# KiCad board vme-wren.kicad_pcb (continued)
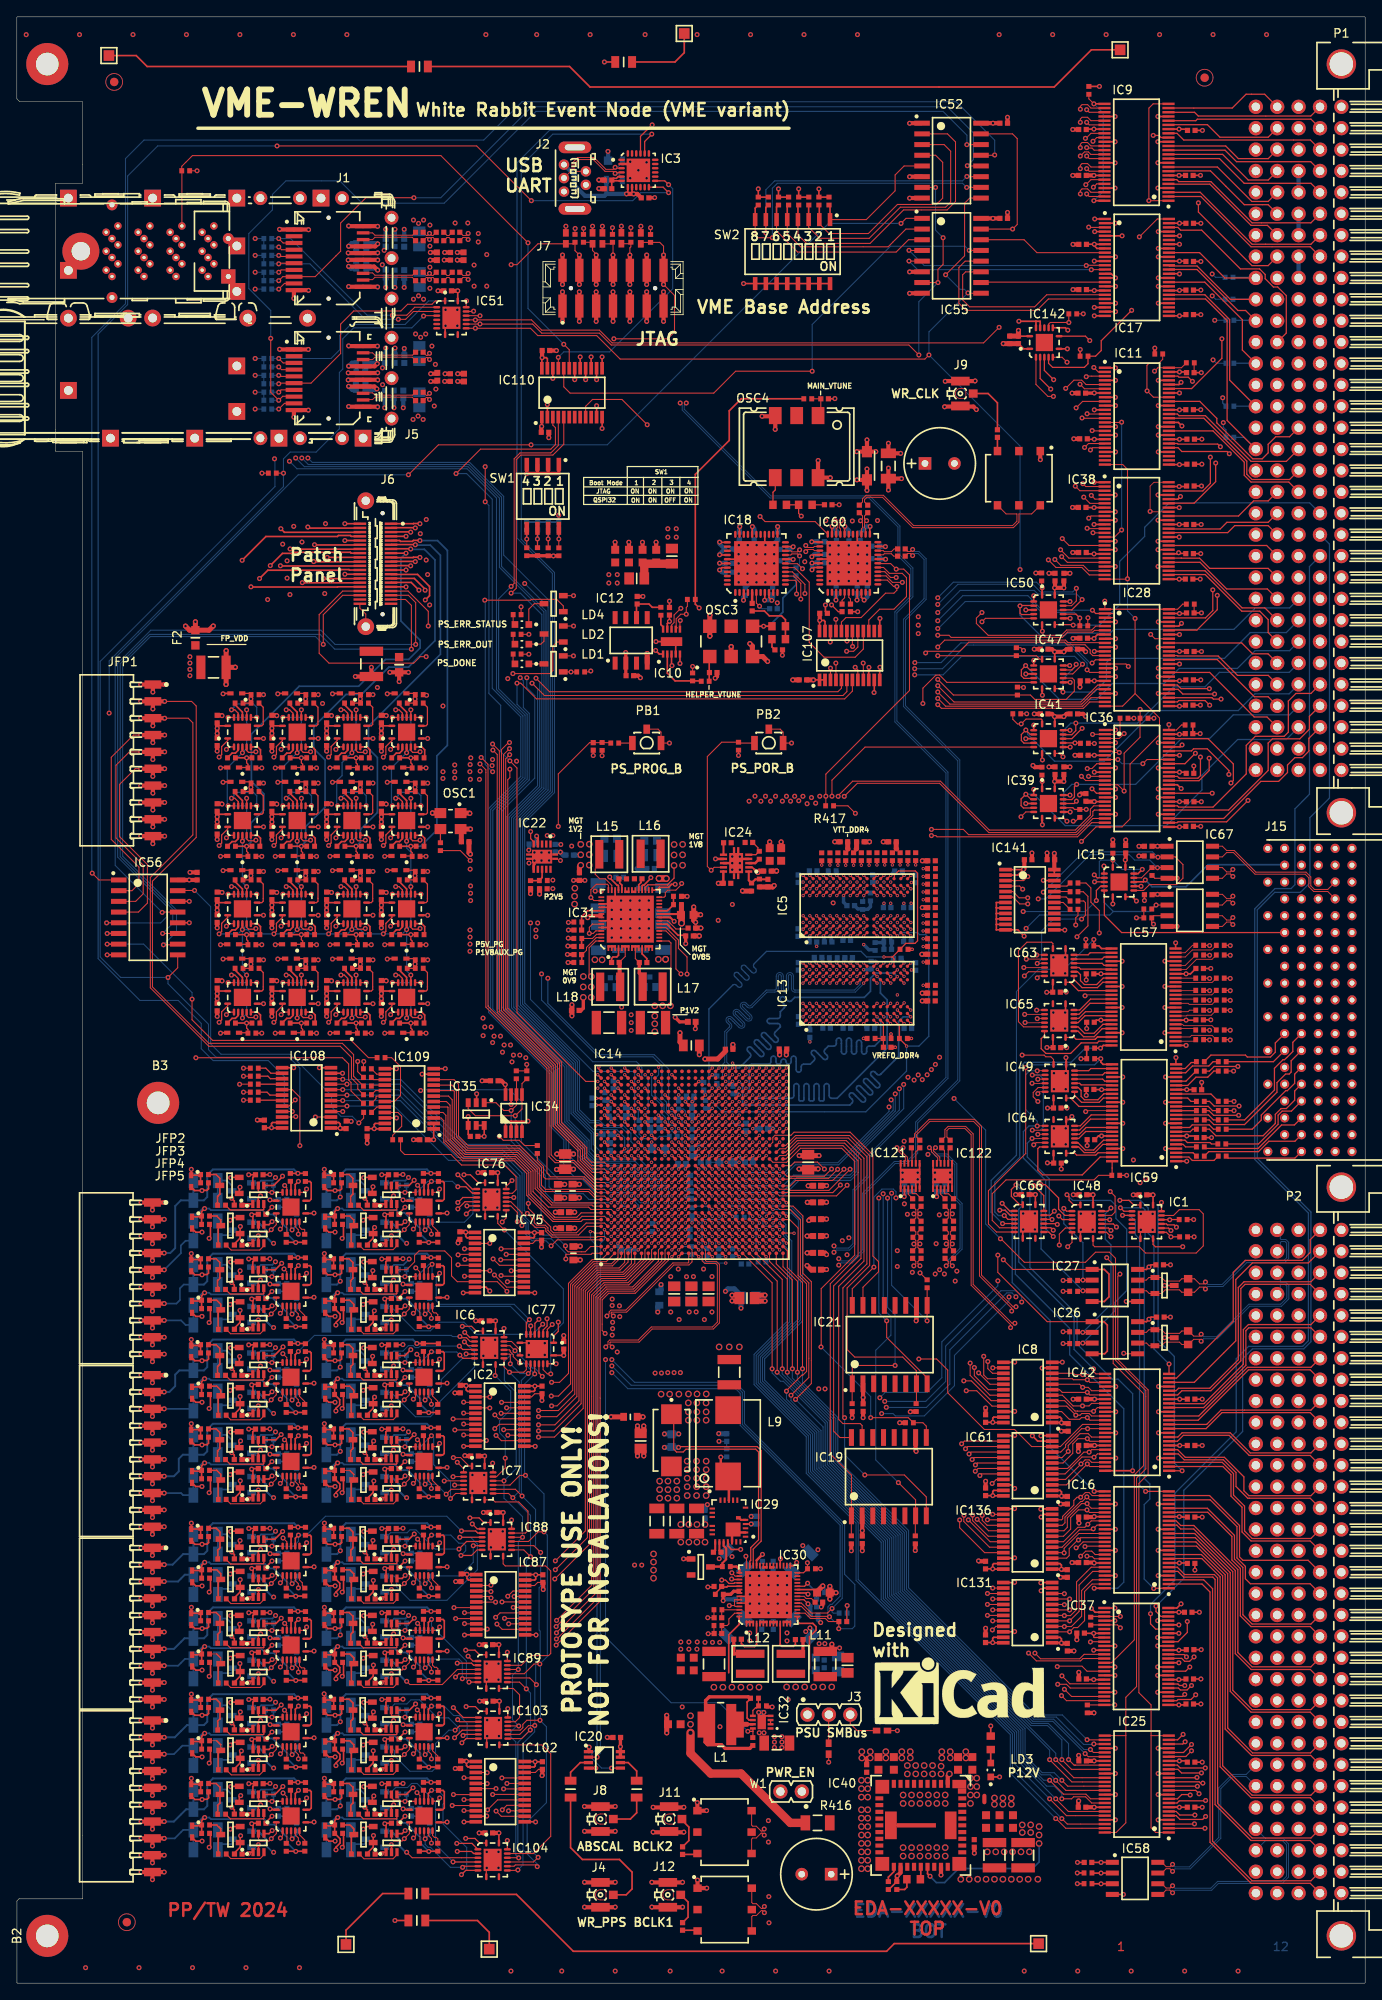
[diagram p0: board, top side]
## Nets (continued)
/vme_interface/vme_buffers_addr/VMEPX.A22: IC36.37 P1.C16
/vme_interface/vme_buffers_addr/VMEPX.A23: IC36.40 P1.C15
/vme_interface/vme_buffers_addr/VMEPX.A24: IC37.40 P2.B4
/vme_interface/vme_buffers_addr/VMEPX.A25: IC37.37 P2.B5
/vme_interface/vme_buffers_addr/VMEPX.A26: IC37.36 P2.B6
/vme_interface/vme_buffers_addr/VMEPX.A27: IC37.33 P2.B7
/vme_interface/vme_buffers_addr/VMEPX.A28: IC37.30 P2.B8
/vme_interface/vme_buffers_addr/VMEPX.A29: IC37.29 P2.B9
/vme_interface/vme_buffers_addr/VMEPX.A30: IC37.27 P2.B10
/vme_interface/vme_buffers_addr/VMEPX.A31: IC37.26 P2.B11
/vme_interface/vme_buffers_addr/VMEPX.AM0: IC11.40 P1.B16
/vme_interface/vme_buffers_addr/VMEPX.AM1: IC11.37 P1.B17
/vme_interface/vme_buffers_addr/VMEPX.AM2: IC11.36 P1.B18
/vme_interface/vme_buffers_addr/VMEPX.AM3: IC11.33 P1.B19
/vme_interface/vme_buffers_addr/VMEPX.AM4: IC11.30 P1.A23
/vme_interface/vme_buffers_addr/VMEPX.AM5: IC11.29 P1.C14
/vme_interface/vme_buffers_addr/VMEPX.AS_N: IC28.43 P1.A18
/vme_interface/vme_buffers_addr/VMEPX.BERR_N: IC11.43 P1.C11
/vme_interface/vme_buffers_addr/VMEPX.BG3IN: IC142.5 P1.B10 R402.2
/vme_interface/vme_buffers_addr/VMEPX.BG3OUT: IC142.3 P1.B11 R402.1
/vme_interface/vme_buffers_addr/VMEPX.BR3: IC142.8 P1.B15
/vme_interface/vme_buffers_addr/VMEPX.D0: IC17.22 P1.A1
/vme_interface/vme_buffers_addr/VMEPX.D1: IC17.20 P1.A2
/vme_interface/vme_buffers_addr/VMEPX.D2: IC17.17 P1.A3
/vme_interface/vme_buffers_addr/VMEPX.D3: IC17.13 P1.A4
/vme_interface/vme_buffers_addr/VMEPX.D4: IC17.11 P1.A5
/vme_interface/vme_buffers_addr/VMEPX.D5: IC17.6 P1.A6
/vme_interface/vme_buffers_addr/VMEPX.D6: IC17.3 P1.A7
/vme_interface/vme_buffers_addr/VMEPX.D7: IC17.2 P1.A8
/vme_interface/vme_buffers_addr/VMEPX.D8: IC17.23 P1.C1
/vme_interface/vme_buffers_addr/VMEPX.D9: IC17.19 P1.C2
/vme_interface/vme_buffers_addr/VMEPX.D10: IC17.14 P1.C3
/vme_interface/vme_buffers_addr/VMEPX.D11: IC17.12 P1.C4
/vme_interface/vme_buffers_addr/VMEPX.D12: IC17.9 P1.C5
/vme_interface/vme_buffers_addr/VMEPX.D13: IC17.8 P1.C6
/vme_interface/vme_buffers_addr/VMEPX.D14: IC17.5 P1.C7
/vme_interface/vme_buffers_addr/VMEPX.D15: IC17.16 P1.C8
/vme_interface/vme_buffers_addr/VMEPX.D16: IC25.12 P2.B14
/vme_interface/vme_buffers_addr/VMEPX.D17: IC25.11 P2.B15
/vme_interface/vme_buffers_addr/VMEPX.D18: IC25.9 P2.B16
/vme_interface/vme_buffers_addr/VMEPX.D19: IC25.8 P2.B17
/vme_interface/vme_buffers_addr/VMEPX.D20: IC25.6 P2.B18
/vme_interface/vme_buffers_addr/VMEPX.D21: IC25.5 P2.B19
/vme_interface/vme_buffers_addr/VMEPX.D22: IC25.3 P2.B20
/vme_interface/vme_buffers_addr/VMEPX.D23: IC25.2 P2.B21
/vme_interface/vme_buffers_addr/VMEPX.D24: IC25.23 P2.B23
/vme_interface/vme_buffers_addr/VMEPX.D25: IC25.22 P2.B24
/vme_interface/vme_buffers_addr/VMEPX.D26: IC25.20 P2.B25
/vme_interface/vme_buffers_addr/VMEPX.D27: IC25.19 P2.B26
/vme_interface/vme_buffers_addr/VMEPX.D28: IC25.17 P2.B27
/vme_interface/vme_buffers_addr/VMEPX.D29: IC25.16 P2.B28
/vme_interface/vme_buffers_addr/VMEPX.D30: IC25.14 P2.B29
/vme_interface/vme_buffers_addr/VMEPX.D31: IC25.13 P2.B30
/vme_interface/vme_buffers_addr/VMEPX.DS0_N: IC38.43 P1.A13
/vme_interface/vme_buffers_addr/VMEPX.DS1_N: IC38.46 P1.A12
/vme_interface/vme_buffers_addr/VMEPX.DTACK_N: IC36.46 P1.A16
/vme_interface/vme_buffers_addr/VMEPX.GA0: IC9.37 P1.D10 R56.1
/vme_interface/vme_buffers_addr/VMEPX.GA1: IC9.36 P1.D11 R59.1
/vme_interface/vme_buffers_addr/VMEPX.GA2: IC9.33 P1.D13 R60.1
/vme_interface/vme_buffers_addr/VMEPX.GA3: IC9.30 P1.D15 R61.1
/vme_interface/vme_buffers_addr/VMEPX.GA4: IC9.29 P1.D17 R67.1
/vme_interface/vme_buffers_addr/VMEPX.GAP: IC9.40 P1.D9 R55.1
/vme_interface/vme_buffers_addr/VMEPX.IACK_N: IC50.8 P1.A20
/vme_interface/vme_buffers_addr/VMEPX.IACKIN_N: IC37.46 P1.A21
/vme_interface/vme_buffers_addr/VMEPX.IACKOUT_N: IC37.43 P1.A22
/vme_interface/vme_buffers_addr/VMEPX.IRQ_N1: IC39.3 IC39.5 P1.B30
/vme_interface/vme_buffers_addr/VMEPX.IRQ_N2: IC39.8 IC39.12 P1.B29
/vme_interface/vme_buffers_addr/VMEPX.IRQ_N3: IC41.3 IC41.5 P1.B28
/vme_interface/vme_buffers_addr/VMEPX.IRQ_N4: IC41.8 IC41.12 P1.B27
/vme_interface/vme_buffers_addr/VMEPX.IRQ_N5: IC47.3 IC47.5 P1.B26
/vme_interface/vme_buffers_addr/VMEPX.IRQ_N6: IC47.8 IC47.12 P1.B25
/vme_interface/vme_buffers_addr/VMEPX.IRQ_N7: IC50.3 IC50.5 P1.B24
/vme_interface/vme_buffers_addr/VMEPX.LWORD_N: IC36.26 P1.C13
/vme_interface/vme_buffers_addr/VMEPX.RETRY_N: IC11.46 P2.B3
/vme_interface/vme_buffers_addr/VMEPX.SYSCLK: IC28.46 P1.A10
/vme_interface/vme_buffers_addr/VMEPX.SYSRESET: IC9.46 P1.C12
/vme_interface/vme_buffers_addr/VMEPX.TCK: P1.Z3
/vme_interface/vme_buffers_addr/VMEPX.TDI: P1.Z7
/vme_interface/vme_buffers_addr/VMEPX.TDO: P1.Z5
/vme_interface/vme_buffers_addr/VMEPX.TMS: P1.Z9
/vme_interface/vme_buffers_addr/VMEPX.TRST: P1.Z1
/vme_interface/vme_buffers_addr/VMEPX.WRITE_N: IC36.43 P1.A14
/vme_interface/vme_p1_p2/VMEPX.ACFAIL: P1.B3
/vme_interface/vme_p1_p2/VMEPX.BBSY: P1.B1
/vme_interface/vme_p1_p2/VMEPX.BCLR: P1.B2
/vme_interface/vme_p1_p2/VMEPX.BG0IN: P1.B4 P1.B5
/vme_interface/vme_p1_p2/VMEPX.BG1IN: P1.B6 P1.B7
/vme_interface/vme_p1_p2/VMEPX.BG2IN: P1.B8 P1.B9
/vme_interface/vme_p1_p2/VMEPX.BR0: P1.B12
/vme_interface/vme_p1_p2/VMEPX.BR1: P1.B13
/vme_interface/vme_p1_p2/VMEPX.BR2: P1.B14
/vme_interface/vme_p1_p2/VMEPX.SERA: P1.B21
/vme_interface/vme_p1_p2/VMEPX.SERB: P1.B22
/vme_interface/vme_p1_p2/VMEPX.SYSFAIL: P1.C10
/vme_interface/VMEPX_USERIO_A.IO0: IC42.23 P2.A1
/vme_interface/VMEPX_USERIO_A.IO1: IC42.22 P2.A2
/vme_interface/VMEPX_USERIO_A.IO2: IC42.20 P2.A3
/vme_interface/VMEPX_USERIO_A.IO3: IC42.19 P2.A4
/vme_interface/VMEPX_USERIO_A.IO4: IC42.17 P2.A5
/vme_interface/VMEPX_USERIO_A.IO5: IC42.16 P2.A6
/vme_interface/VMEPX_USERIO_A.IO6: IC42.14 P2.A7
/vme_interface/VMEPX_USERIO_A.IO7: IC42.13 P2.A8
/vme_interface/VMEPX_USERIO_A.IO8: IC42.12 P2.A9
/vme_interface/VMEPX_USERIO_A.IO9: IC42.11 P2.A10
/vme_interface/VMEPX_USERIO_A.IO10: IC42.9 P2.A11
/vme_interface/VMEPX_USERIO_A.IO11: IC42.8 P2.A12
/vme_interface/VMEPX_USERIO_A.IO12: IC42.6 P2.A13
/vme_interface/VMEPX_USERIO_A.IO13: IC42.5 P2.A14
/vme_interface/VMEPX_USERIO_A.IO14: IC42.3 P2.A15
/vme_interface/VMEPX_USERIO_A.IO15: IC42.2 P2.A16
/vme_interface/VMEPX_USERIO_A.IO16: IC16.23 P2.A17
/vme_interface/VMEPX_USERIO_A.IO17: IC16.22 P2.A18
/vme_interface/VMEPX_USERIO_A.IO18: IC16.20 P2.A19
/vme_interface/VMEPX_USERIO_A.IO19: IC16.19 P2.A20
/vme_interface/VMEPX_USERIO_A.IO20: IC16.17 P2.A21
/vme_interface/VMEPX_USERIO_A.IO21: IC16.16 P2.A22
/vme_interface/VMEPX_USERIO_A.IO22: IC16.14 P2.A23
/vme_interface/VMEPX_USERIO_A.IO23: IC16.13 P2.A24
/vme_interface/VMEPX_USERIO_A.IO24: IC16.12 P2.A25
/vme_interface/VMEPX_USERIO_A.IO25: IC16.11 P2.A26
/vme_interface/VMEPX_USERIO_A.IO26: IC16.9 P2.A27
/vme_interface/VMEPX_USERIO_A.IO27: IC16.8 P2.A28
/vme_interface/VMEPX_USERIO_A.IO28: IC16.6 P2.A29
/vme_interface/VMEPX_USERIO_A.IO29: IC16.5 P2.A30
/vme_interface/VMEPX_USERIO_A.IO30: IC16.3 P2.A31
/vme_interface/VMEPX_USERIO_A.IO31: IC16.2 P2.A32
/VMEF.A1: IC14.AA10 IC38.22
/VMEF.A2: IC14.AB9 IC38.20
/VMEF.A3: IC14.AB10 IC38.19
/VMEF.A4: IC14.AD10 IC38.16
/VMEF.A5: IC14.AF10 IC38.13
/VMEF.A6: IC14.AE10 IC38.12
/VMEF.A7: IC14.AF11 IC38.9
/VMEF.A8: IC14.AD12 IC28.23
/VMEF.A9: IC14.AE13 IC28.22
/VMEF.A10: IC14.AE14 IC28.20
/VMEF.A11: IC14.AB11 IC28.19
/VMEF.A12: IC14.AB13 IC28.16
/VMEF.A13: IC14.AA12 IC28.13
/VMEF.A14: IC14.Y9 IC28.12
/VMEF.A15: IC14.AD11 IC28.9
/VMEF.A16: IC14.W12 IC36.23
/VMEF.A17: IC14.Y12 IC36.22
/VMEF.A18: IC14.L13 IC36.20
/VMEF.A19: IC14.L14 IC36.19
/VMEF.A20: IC14.A13 IC36.16
/VMEF.A21: IC14.A12 IC36.13
/VMEF.A22: IC14.H13 IC36.12
/VMEF.A23: IC14.G13 IC36.9
/VMEF.A24: IC14.G11 IC37.9
/VMEF.A25: IC14.K12 IC37.12
/VMEF.A26: IC14.J12 IC37.13
/VMEF.A27: IC14.K13 IC37.16
/VMEF.A28: IC14.C13 IC37.19
/VMEF.A29: IC14.D14 IC37.20
/VMEF.A30: IC14.E14 IC37.22
/VMEF.A31: IC14.G14 IC37.23
/VMEF.A_DIR: IC11.24 IC14.E15 IC28.24 IC36.24 IC37.24 IC38.24 R40.1
/VMEF.A_OE_N: IC11.14 IC14.K14 IC28.14 IC36.14 IC37.14 IC38.14 R92.1
/VMEF.AM0: IC11.9 IC14.Y14
/VMEF.AM1: IC11.12 IC14.AB14
/VMEF.AM2: IC11.13 IC14.Y13
/VMEF.AM3: IC11.16 IC14.AC14
/VMEF.AM4: IC11.19 IC14.AG14
/VMEF.AM5: IC11.20 IC14.AD14
/VMEF.AS_N_DIR: IC14.F12 IC28.41
/VMEF.AS_N_IN: IC14.AH14 IC28.6
/VMEF.AS_N_OUT: IC14.AH10 IC28.5
/VMEF.BERR_IN: IC11.6 IC14.AD15
/VMEF.BERR_OE: IC11.41 IC14.F11 R315.1
/VMEF.BERR_OUT: IC11.5 IC14.AE15
/VMEF.BG3IN: IC14.B14 IC142.6
/VMEF.BG3OUT: IC14.C14 IC142.2
/VMEF.BR3: IC14.H11 IC142.10 R403.2
/VMEF.D0: IC14.AG5 IC17.36
/VMEF.D1: IC14.AG6 IC17.35
/VMEF.D2: IC14.AC6 IC17.33
/VMEF.D3: IC14.AH7 IC17.32
/VMEF.D4: IC14.AC8 IC17.30
/VMEF.D5: IC14.AC7 IC17.29
/VMEF.D6: IC14.AH9 IC17.27
/VMEF.D7: IC14.AG9 IC17.26
/VMEF.D8: IC14.AF2 IC17.47
/VMEF.D9: IC14.AF3 IC17.46
/VMEF.D10: IC14.AG3 IC17.44
/VMEF.D11: IC14.AH3 IC17.43
/VMEF.D12: IC14.AG4 IC17.41
/VMEF.D13: IC14.AD5 IC17.40
/VMEF.D14: IC14.AH4 IC17.38
/VMEF.D15: IC14.AB6 IC17.37
/VMEF.D16: IC14.AG8 IC25.37
/VMEF.D17: IC14.AH6 IC25.38
/VMEF.D18: IC14.AE9 IC25.40
/VMEF.D19: IC14.AF8 IC25.41
/VMEF.D20: IC14.AD9 IC25.43
/VMEF.D21: IC14.AD7 IC25.44
/VMEF.D22: IC14.AB8 IC25.46
/VMEF.D23: IC14.AE4 IC25.47
/VMEF.D24: IC14.AH2 IC25.26
/VMEF.D25: IC14.AH1 IC25.27
/VMEF.D26: IC14.AG1 IC25.29
/VMEF.D27: IC14.AF1 IC25.30
/VMEF.D28: IC14.AD1 IC25.32
/VMEF.D29: IC14.AC1 IC25.33
/VMEF.D30: IC14.AB1 IC25.35
/VMEF.D31: IC14.AH8 IC25.36
/VMEF.D_DIR: IC14.AE3 IC17.1 IC17.24 IC25.1 IC25.24
/VMEF.D_OE_N: IC14.AC9 IC17.25 IC17.48 IC25.25 IC25.48 R99.1
/VMEF.DS0_N_IN: IC14.AE12 IC38.6
/VMEF.DS0_N_OUT: IC14.AF12 IC38.5
/VMEF.DS1_N_IN: IC14.AG13 IC38.3
/VMEF.DS1_N_OUT: IC14.AF13 IC38.2
/VMEF.DS_N_OE: IC14.D12 IC38.41 IC38.48
/VMEF.DTACK_N_IN: IC14.G15 IC36.3
/VMEF.DTACK_N_OUT: IC14.H14 IC36.2 R89.1
/VMEF.DTACK_OE: IC14.F15 IC36.48 R90.1
/VMEF.GA0: IC9.12 IC55.4
/VMEF.GA1: IC9.13 IC55.5
/VMEF.GA2: IC9.16 IC55.10
/VMEF.GA3: IC9.19 IC55.11
/VMEF.GA4: IC9.20 IC55.12
/VMEF.GAP: IC9.9 IC55.14
/VMEF.IACK_N_IN: IC14.AG11 IC50.12
/VMEF.IACK_N_OUT: IC14.AH11 IC50.11
/VMEF.IACK_OE_N: IC14.AH13 IC50.10 R329.1
/VMEF.IACKIN_N_IN: IC14.J10 IC37.3 R95.1
/VMEF.IACKOUT_N_OUT: IC14.G10 IC37.5 R95.2
/VMEF.IRQ_IN_N1: IC14.W11 IC39.6
/VMEF.IRQ_IN_N2: IC14.B13 IC39.11
/VMEF.IRQ_IN_N3: IC14.J14 IC41.6
/VMEF.IRQ_IN_N4: IC14.E13 IC41.11
/VMEF.IRQ_IN_N5: IC14.AA11 IC47.6
/VMEF.IRQ_IN_N6: IC14.AA13 IC47.11
/VMEF.IRQ_IN_N7: IC14.AG10 IC50.6
/VMEF.IRQ_OUT_N1: IC14.B11 IC39.1 R102.1
/VMEF.IRQ_OUT_N2: IC14.A14 IC39.10 R189.1
/VMEF.IRQ_OUT_N3: IC14.E12 IC41.1 R101.1
/VMEF.IRQ_OUT_N4: IC14.F10 IC41.10 R204.1
/VMEF.IRQ_OUT_N5: IC14.AC11 IC47.1 R223.1
/VMEF.IRQ_OUT_N6: IC14.AC12 IC47.10 R263.1
/VMEF.IRQ_OUT_N7: IC14.AC13 IC50.1 R264.1
/VMEF.LWORD_N: IC14.AA8 IC38.23
/VMEF.NOGA_N0: IC52.5 R385.2 SW2.1
/VMEF.NOGA_N1: IC52.4 R372.2 SW2.2
/VMEF.NOGA_N2: IC52.3 R371.2 SW2.3
/VMEF.NOGA_N3: IC52.2 R358.2 SW2.4
/VMEF.NOGA_N4: IC55.2 R357.2 SW2.5
/VMEF.RETRY_IN: IC11.3 IC14.AB15
/VMEF.RETRY_OE: IC11.48 IC14.C11 R114.1
/VMEF.RETRY_OUT: IC11.2 IC14.W14
/VMEF.SYSCLK: IC14.AH12 IC28.2 IC28.3
/VMEF.SYSCLK_DIR: IC28.1 IC28.48 IC48.6 R98.1
/VMEF.SYSRESET_N: IC9.3 IC14.W13
/VMEF.SYSRESET_N_DIR: IC9.48 IC48.7
/VMEF.USEGA_N: IC55.3 R344.2 SW2.6
/VMEF.WRITE_N: IC14.A11 IC36.5 IC36.6
/VMEF.WRITE_N_DIR: IC14.B10 IC36.8 IC36.41
/WR_CLK.25M_HELPER: OSC3.4 R65.1 R201.1
/WR_CLK.ABSCAL: IC14.A4 IC20.5
/WR_CLK.AUX_N: IC14.D6 IC60.35
/WR_CLK.AUX_P: IC14.D7 IC60.36
/WR_CLK.HELPER_N: IC14.E5 IC18.20
/WR_CLK.HELPER_P: IC14.D5 IC18.19 R65.2
/WR_CLK.MAIN_N: C248.2 IC14.C2 IC60.24
/WR_CLK.MAIN_P: C246.2 IC14.C3 IC60.25
/WR_CLK.PPS: IC14.B4 IC20.2
/WR_CLK.RSTN: IC14.G18 IC18.17 IC60.17 R417.2
/WR_CLK.SFP_N: C266.1 IC14.V5
/WR_CLK.SFP_P: C265.1 IC14.V6
/WR_CLK.SI5340_IRQ_N: IC14.D16 IC60.33
/WR_CLK.SPI_HELPER_CS_N: IC18.16 IC107.16
/WR_CLK.SPI_MAIN_CS_N: IC60.16 IC107.15
/WR_CLK.SPI_MISO: IC18.15 IC60.15 IC110.15
/WR_CLK.SPI_MOSI: IC18.13 IC60.13 IC107.20
/WR_CLK.SPI_SCK: IC18.14 IC60.14 IC107.21
/WR_DAC.DIN: IC10.8 IC107.18 R86.1
/WR_DAC.SCLK: IC10.7 IC107.19 R66.1
/WR_DAC.SYNC: IC10.6 IC107.17
/WRFLASH_I2C.SCL: IC14.C9 IC34.6 IC35.1 R226.1
/WRFLASH_I2C.SDA: IC14.D9 IC34.5 IC35.3 R169.1
CHASSIS: B1.1 B2.1 B3.1 R398.1 R400.1 TP2.1 TP5.1
M12V_VME: P1.A31
MGT_0V9: C49.2 C315.1 C316.1 C317.1 C341.2 C344.2 IC14.V4 IC14.Y4 IC31.56 L18.2
MGT_0V85: C19.2 C291.1 IC14.B22 IC14.D22 IC31.23 R214.2
MGT_1V2: C31.2 C160.1 C161.1 C231.1 C340.2 C343.2 IC14.N1 IC14.P4 IC14.T4 IC31.41 L15.2 R222.2
MGT_1V8: C25.2 C30.2 C157.2 C309.1 C310.1 C311.1 C342.2 IC14.A23 IC14.C23 IC14.D25 IC14.E23 IC14.U5 IC14.W5 IC31.22 IC31.31 L16.2
PSADC_AGND: C97.1 C98.1 IC14.P13 IC14.R12 IC14.R13 IC14.T12 IC14.T13 IC14.W20 L2.1
VTT_DDR4-PS: C112.2 C113.2 C127.2 C128.2 C130.2 C131.2 C133.2 C134.2 C146.2 C232.2 IC24.3 R70.2 R71.2 R72.2 R73.2 R74.2 R75.2 R76.2 R77.2 R78.2 R79.2 R80.2 R81.2 R82.2 R83.2 R84.2 R85.2 R91.2 R96.2 R97.2 R105.2 R106.2 R107.2 R108.2 R109.2 R110.2 R134.1
Net-(C15-Pad2): C15.2 C16.2 L13.2 L14.1
Net-(C48-Pad2): C48.2 R190.1
Net-(C59-Pad1): C59.1 R199.2 R200.2
Net-(C99-Pad1): C99.1 R111.2 R112.2
Net-(C120-Pad1): C120.1 IC31.36 IC31.37 L15.1
Net-(C162-Pad2): C162.2 R200.1
Net-(C165-Pad2): C165.2 R202.1
Net-(C247-Pad1): C247.1 J9.1
Net-(C282-Pad1): C282.1 IC30.8 IC30.9 IC30.10 L11.1
Net-(C289-Pad1): C289.1 IC30.5 IC30.6 IC30.7 L12.1
Net-(C298-Pad1): C298.1 IC31.34 IC31.35 L16.1
Net-(C299-Pad1): C299.1 IC31.8 IC31.9 IC31.10 L17.1
Net-(C300-Pad1): C300.1 IC31.5 IC31.6 IC31.7 L18.1
Net-(C353-Pad1): C353.1 R201.2 R202.2
Net-(C478-Pad1): C478.1 J11.1
Net-(C485-Pad1): C485.1 J12.1
Net-(D10-C): D10.3 IC29.21 R253.2
Net-(D11A-COMAC): D11.3 R43.2 R47.1
Net-(D12A-COMAC): D12.3 R137.2 R139.1
Net-(D15A-COMAC): D15.3 R151.2 R153.1
Net-(D16A-COMAC): D16.3 R174.2 R176.1
Net-(D19A-COMAC): D19.3 R270.2 R272.1
Net-(D20A-COMAC): D20.3 R284.2 R286.1
Net-(D23A-COMAC): D23.3 R298.2 R300.1
Net-(D24A-COMAC): D24.3 R312.2 R314.1
Net-(D27A-COMAC): D27.3 R326.2 R328.1
Net-(D28A-COMAC): D28.3 R340.2 R342.1
Net-(D31A-COMAC): D31.3 R354.2 R356.1
Net-(D32A-COMAC): D32.3 R368.2 R370.1
Net-(D35A-COMAC): D35.3 R382.2 R384.1
Net-(D36A-COMAC): D36.3 R413.2 R415.1
Net-(D39A-COMAC): D39.3 R427.2 R429.1
Net-(D40A-COMAC): D40.3 R441.2 R443.1
Net-(D43A-COMAC): D43.3 R42.2 R45.1
Net-(D44A-COMAC): D44.3 R136.2 R138.1
Net-(D47A-COMAC): D47.3 R150.2 R152.1
Net-(D50A-COMAC): D50.3 R173.2 R175.1
Net-(D53A-COMAC): D53.3 R269.2 R271.1
Net-(D54A-COMAC): D54.3 R283.2 R285.1
Net-(D57A-COMAC): D57.3 R297.2 R299.1
Net-(D58A-COMAC): D58.3 R311.2 R313.1
Net-(D61A-COMAC): D61.3 R325.2 R327.1
Net-(D62A-COMAC): D62.3 R339.2 R341.1
Net-(D65A-COMAC): D65.3 R353.2 R355.1
Net-(D66A-COMAC): D66.3 R367.2 R369.1
Net-(D67A-COMAC): D67.3 R381.2 R383.1
Net-(D68A-COMAC): D68.3 R412.2 R414.1
Net-(D71A-COMAC): D71.3 R426.2 R428.1
Net-(D72A-COMAC): D72.3 R440.2 R442.1
Net-(IC1-QH'): IC1.9 IC66.14
Net-(IC1-SER): IC1.14 IC48.9
Net-(IC3-VDD): C52.1 C53.1 IC3.5 IC3.6
Net-(IC6-QH'): IC6.9 IC7.14
Net-(IC10-VOUTA): IC10.1 R58.1 R66.2
Net-(IC10-VOUTB): IC10.2 R57.1 R86.2
Net-(IC10-VREF): IC10.10 R94.2
Net-(IC12-OUT): C78.2 IC12.6 R94.1
Net-(IC14E-IO_T0U_N12_VRP_64): IC14.AD6 R22.2
Net-(IC14F-IO_T0U_N12_VRP_65): IC14.W9 R20.2
Net-(IC14G-IO_T0U_N12_VRP_66): IC14.G4 R21.2
Net-(IC14L-PS_MGTRREF_505): IC14.F22 R11.2
Net-(IC14M-PS_DDR_ZQ): IC14.U24 R1.2
Net-(IC14O-MGTRREF_R): IC14.N2 R222.1
Net-(IC14P-PUDC_B): IC14.U7 R63.1
Net-(IC18-XA): C353.2 IC18.5
Net-(IC18-XB): C66.2 IC18.6
Net-(IC20A-1Y): IC20.6 R38.1
Net-(IC20B-2Y): IC20.3 R39.1
Net-(IC22-FB): IC22.8 R62.1 R64.2
Net-(IC23-1Y): IC23.3 R28.1
Net-(IC23-2Y): IC23.6 R29.1
Net-(IC23-3Y): IC23.8 R32.1
Net-(IC23-4Y): IC23.11 R33.1
Net-(IC24-REFIN): C136.2 IC24.1 R125.1 R127.2
Net-(IC24-REFOUT): C140.2 IC24.6
Net-(IC24-VOSNS): C126.2 IC24.5 R134.2
Net-(IC29-BOOT): C270.2 IC29.20
Net-(IC29-GL-Pad27): IC29.5 IC29.27
Net-(IC29-PHASE): C270.1 IC29.19
Net-(IC29-SW-Pad10): IC29.8 IC29.9 IC29.10 IC29.11 IC29.12 L9.1 R37.1
Net-(IC30-1V8): C276.1 IC30.21
Net-(IC30-ADDR_PROT): C293.2 IC30.55 R208.2
Net-(IC30-BOOT_C): C282.2 IC30.11
Net-(IC30-BOOT_D): C289.2 IC30.4
Net-(IC30-EN_A): IC30.28 IC30.42 IC30.51 IC30.53 R212.2 W1.1
Net-(IC30-FB__L): IC30.24 R206.1 R207.1
Net-(IC30-ISEN_A+): C271.2 IC30.46 R37.2
Net-(IC30-MTP): C294.2 IC30.54 R209.2
Net-(IC30-PWM_A): IC30.43 R253.1
Net-(IC30-VDRV): C286.1 IC30.47 R205.2
Net-(IC31-1V8): C290.1 IC31.21
Net-(IC31-ADDR_PROT): C292.2 IC31.55 R216.2
Net-(IC31-BOOT_A): C120.2 IC31.38
Net-(IC31-BOOT_B): C298.2 IC31.33
Net-(IC31-BOOT_C): C299.2 IC31.11
Net-(IC31-BOOT_D): C300.2 IC31.4
Net-(IC31-FB__L): IC31.24 R214.1 R215.1
Net-(IC31-MTP): C295.2 IC31.54 R217.2
Net-(IC31-VDRV): C288.1 IC31.47 R213.2
Net-(IC32-FB): IC32.5 R210.2 R211.2
Net-(IC32-SW): IC32.7 L1.1
Net-(IC33-A): IC33.3 R47.2
Net-(IC40-PH-Pad10): IC40.10 IC40.13 IC40.14 IC40.15 IC40.16 IC40.17 IC40.18 IC40.19 IC40.42
Net-(IC40-RT/CLK): IC40.22 R100.2
Net-(IC40-VADJ): IC40.26 R181.2
Net-(IC43-A): IC43.3 R45.2
Net-(IC44-1Y): IC44.3 R50.1
Net-(IC44-2Y): IC44.6 R123.1
Net-(IC44-3Y): IC44.8 R129.1
Net-(IC44-4Y): IC44.11 R130.1
Net-(IC45-A): IC45.3 R139.2
Net-(IC46-A): IC46.3 R138.2
Net-(IC48-SER): IC48.14 R456.2
Net-(IC51-SER): IC51.14 R463.2
Net-(IC52-QH): IC52.13 IC56.1
Net-(IC53-1Y): IC53.3 R142.1
Net-(IC53-2Y): IC53.6 R143.1
Net-(IC53-3Y): IC53.8 R144.1
Net-(IC53-4Y): IC53.11 R145.1
Net-(IC54-A): IC54.3 R153.2
Net-(IC55-SER): IC55.1 IC56.13
Net-(IC59-1B1): IC59.2 R241.1
Net-(IC59-1B2): IC59.3 R242.1
Net-(IC59-1B3): IC59.5 R243.1
Net-(IC59-1B4): IC59.6 R244.1
Net-(IC59-1B5): IC59.8 R245.1
Net-(IC59-1B6): IC59.9 R246.1
Net-(IC59-1B7): IC59.11 R247.1
Net-(IC59-1B8): IC59.12 R248.1
Net-(IC59-2B1): IC59.13 R116.1
Net-(IC59-2B2): IC59.14 R249.1
Net-(IC59-2B3): IC59.16 R250.1
Net-(IC59-2B4): IC59.17 R252.1
Net-(IC59-2B5): IC59.19 R256.1
Net-(IC59-2B6): IC59.20 R257.1
Net-(IC59-2B7): IC59.22 R258.1
Net-(IC59-2B8): IC59.23 R259.1
Net-(IC60-XA): C59.2 IC60.5
Net-(IC60-XB): C65.2 IC60.6
Net-(IC62-1Y): IC62.3 R93.1
Net-(IC62-2Y): IC62.6 R164.1
Net-(IC62-3Y): IC62.8 R281.1
Net-(IC62-4Y): IC62.11 R295.1
Net-(IC68-A): IC68.3 R152.2
Net-(IC69-1Y): IC69.3 R156.1
Net-(IC69-2Y): IC69.6 R157.1
Net-(IC69-3Y): IC69.8 R158.1
Net-(IC69-4Y): IC69.11 R159.1
Net-(IC70-A): IC70.3 R176.2
Net-(IC71-A): IC71.3 R175.2
Net-(IC72-1Y): IC72.3 R179.1
Net-(IC72-2Y): IC72.6 R180.1
Net-(IC72-3Y): IC72.8 R182.1
Net-(IC72-4Y): IC72.11 R183.1
Net-(IC73-A): IC73.3 R272.2
Net-(IC74-A): IC74.3 R271.2
Net-(IC76-QH'): IC76.9 IC77.14
Net-(IC78-1Y): IC78.3 R275.1
Net-(IC78-2Y): IC78.6 R276.1
Net-(IC78-3Y): IC78.8 R277.1
Net-(IC78-4Y): IC78.11 R278.1
Net-(IC79-A): IC79.3 R286.2
Net-(IC80-A): IC80.3 R285.2
Net-(IC81-1Y): IC81.3 R289.1
Net-(IC81-2Y): IC81.6 R290.1
Net-(IC81-3Y): IC81.8 R291.1
Net-(IC81-4Y): IC81.11 R292.1
Net-(IC82-A): IC82.3 R300.2
Net-(IC83-A): IC83.3 R299.2
Net-(IC84-1Y): IC84.3 R303.1
Net-(IC84-2Y): IC84.6 R304.1
Net-(IC84-3Y): IC84.8 R305.1
Net-(IC84-4Y): IC84.11 R306.1
Net-(IC85-A): IC85.3 R314.2
Net-(IC86-A): IC86.3 R313.2
Net-(IC88-QH'): IC88.9 IC89.14
Net-(IC90-1Y): IC90.3 R317.1
Net-(IC90-2Y): IC90.6 R318.1
Net-(IC90-3Y): IC90.8 R319.1
Net-(IC90-4Y): IC90.11 R320.1
Net-(IC91-A): IC91.3 R328.2
Net-(IC92-A): IC92.3 R327.2
Net-(IC93-1Y): IC93.3 R331.1
Net-(IC93-2Y): IC93.6 R332.1
Net-(IC93-3Y): IC93.8 R333.1
Net-(IC93-4Y): IC93.11 R334.1
Net-(IC94-A): IC94.3 R342.2
Net-(IC95-A): IC95.3 R341.2
Net-(IC96-1Y): IC96.3 R345.1
Net-(IC96-2Y): IC96.6 R346.1
Net-(IC96-3Y): IC96.8 R347.1
Net-(IC96-4Y): IC96.11 R348.1
Net-(IC97-A): IC97.3 R356.2
Net-(IC98-A): IC98.3 R355.2
Net-(IC99-1Y): IC99.3 R359.1
Net-(IC99-2Y): IC99.6 R360.1
Net-(IC99-3Y): IC99.8 R361.1
Net-(IC99-4Y): IC99.11 R362.1
Net-(IC100-A): IC100.3 R370.2
Net-(IC101-A): IC101.3 R369.2
Net-(IC103-QH'): IC103.9 IC104.14
Net-(IC105-1Y): IC105.3 R373.1
Net-(IC105-2Y): IC105.6 R374.1
Net-(IC105-3Y): IC105.8 R375.1
Net-(IC105-4Y): IC105.11 R376.1
Net-(IC106-A): IC106.3 R384.2
Net-(IC109-B5): IC109.17 R451.1
Net-(IC109-B6): IC109.16 R453.1
Net-(IC109-B7): IC109.15 R187.1
Net-(IC109-B8): IC109.14 R188.1
Net-(IC111-A): IC111.3 R383.2
Net-(IC112-1Y): IC112.3 R404.1
Net-(IC112-2Y): IC112.6 R405.1
Net-(IC112-3Y): IC112.8 R406.1
Net-(IC112-4Y): IC112.11 R407.1
Net-(IC113-A): IC113.3 R415.2
Net-(IC114-A): IC114.3 R414.2
Net-(IC115-1Y): IC115.3 R418.1
Net-(IC115-2Y): IC115.6 R419.1
Net-(IC115-3Y): IC115.8 R420.1
Net-(IC115-4Y): IC115.11 R421.1
Net-(IC116-A): IC116.3 R429.2
Net-(IC117-A): IC117.3 R428.2
Net-(IC118-1Y): IC118.3 R432.1
Net-(IC118-2Y): IC118.6 R433.1
Net-(IC118-3Y): IC118.8 R434.1
Net-(IC118-4Y): IC118.11 R435.1
Net-(IC119-A): IC119.3 R443.2
Net-(IC120-A): IC120.3 R442.2
Net-(IC121-IN+): C477.1 IC121.3
Net-(IC121-IN-): C476.1 IC121.4
Net-(IC121-OUT2+): C484.2 IC121.8
Net-(IC121-OUT2-): C482.2 IC121.9
Net-(IC122-IN+): C468.1 IC122.3
Net-(IC122-IN-): C469.1 IC122.4
Net-(IC122-OUT2+): C473.2 IC122.8
Net-(IC122-OUT2-): C472.2 IC122.9
Net-(IC123-1B1): IC123.2 R233.1
Net-(IC123-1B2): IC123.3 R234.1
Net-(IC123-1B3): IC123.5 R235.1
Net-(IC123-1B4): IC123.6 R236.1
Net-(IC123-1B5): IC123.8 R237.1
Net-(IC123-1B6): IC123.9 R238.1
Net-(IC123-1B7): IC123.11 R239.1
Net-(IC123-1B8): IC123.12 R240.1
Net-(IC123-2B1): IC123.13 R221.1
Net-(IC123-2B2): IC123.14 R224.1
Net-(IC123-2B3): IC123.16 R225.1
Net-(IC123-2B4): IC123.17 R228.1
Net-(IC123-2B5): IC123.19 R229.1
Net-(IC123-2B6): IC123.20 R230.1
Net-(IC123-2B7): IC123.22 R231.1
Net-(IC123-2B8): IC123.23 R232.1
Net-(IC124-1Y): IC124.3 R337.1
Net-(IC124-2Y): IC124.6 R351.1
Net-(IC124-3Y): IC124.8 R365.1
Net-(IC124-4Y): IC124.11 R379.1
Net-(IC125-1Y): IC125.3 R438.1
Net-(IC125-2Y): IC125.6 R448.1
Net-(IC125-3Y): IC125.8 R508.1
Net-(IC125-4Y): IC125.11 R509.1
Net-(IC126-1Y): IC126.3 R512.1
Net-(IC126-2Y): IC126.6 R513.1
Net-(IC126-3Y): IC126.8 R514.1
Net-(IC126-4Y): IC126.11 R515.1
Net-(IC127-1Y): IC127.3 R218.1
Net-(IC127-2Y): IC127.6 R219.1
Net-(IC127-3Y): IC127.8 R220.1
Net-(IC127-4Y): IC127.11 R261.1
Net-(IC128-1Y): IC128.3 R518.1
Net-(IC128-2Y): IC128.6 R519.1
Net-(IC128-3Y): IC128.8 R520.1
Net-(IC128-4Y): IC128.11 R521.1
Net-(IC129-1Y): IC129.3 R524.1
Net-(IC129-2Y): IC129.6 R525.1
Net-(IC129-3Y): IC129.8 R526.1
Net-(IC129-4Y): IC129.11 R527.1
Net-(IC130-1Y): IC130.3 R530.1
Net-(IC130-2Y): IC130.6 R531.1
Net-(IC130-3Y): IC130.8 R532.1
Net-(IC130-4Y): IC130.11 R533.1
Net-(IC132-1Y): IC132.3 R536.1
Net-(IC132-2Y): IC132.6 R537.1
Net-(IC132-3Y): IC132.8 R538.1
Net-(IC132-4Y): IC132.11 R539.1
Net-(IC133-1Y): IC133.3 R542.1
Net-(IC133-2Y): IC133.6 R543.1
Net-(IC133-3Y): IC133.8 R544.1
Net-(IC133-4Y): IC133.11 R545.1
Net-(IC134-1Y): IC134.3 R548.1
Net-(IC134-2Y): IC134.6 R549.1
Net-(IC134-3Y): IC134.8 R550.1
Net-(IC134-4Y): IC134.11 R551.1
Net-(IC135-1Y): IC135.3 R554.1
Net-(IC135-2Y): IC135.6 R555.1
Net-(IC135-3Y): IC135.8 R556.1
Net-(IC135-4Y): IC135.11 R557.1
Net-(IC137-1Y): IC137.3 R560.1
Net-(IC137-2Y): IC137.6 R561.1
Net-(IC137-3Y): IC137.8 R562.1
Net-(IC137-4Y): IC137.11 R563.1
Net-(IC138-1Y): IC138.3 R566.1
Net-(IC138-2Y): IC138.6 R567.1
Net-(IC138-3Y): IC138.8 R568.1
Net-(IC138-4Y): IC138.11 R569.1
Net-(IC139-1Y): IC139.3 R572.1
Net-(IC139-2Y): IC139.6 R573.1
Net-(IC139-3Y): IC139.8 R574.1
Net-(IC139-4Y): IC139.11 R575.1
Net-(IC140-1Y): IC140.3 R578.1
Net-(IC140-2Y): IC140.6 R579.1
Net-(IC140-3Y): IC140.8 R580.1
Net-(IC140-4Y): IC140.11 R581.1
Net-(J1-RS0): J1.7 R393.1
Net-(J1-RS1): J1.9 R395.1
Net-(J4-Pad1): J4.1 R39.2
Net-(J5-RS0): J5.7 R18.1
Net-(J5-RS1): J5.9 R17.1
Net-(J8-Pad1): J8.1 R38.2
Net-(LD1-A): LD1.2 R2.1
Net-(LD1-C): LD1.1 T2.3
Net-(LD2-A): LD2.2 R3.1
Net-(LD2-C): LD2.1 T3.3
Net-(LD3-A): LD3.2 R251.2
Net-(LD4-A): LD4.2 R4.1
Net-(LD4-C): LD4.1 T4.3
Net-(OSC1-OUT): OSC1.3 R27.1
Net-(OSC4-OUT): OSC4.4 R199.1
Net-(OSC4-VDD): C116.2 C117.1 L7.2 OSC4.6
Net-(PB1-Pad2): PB1.2 R191.2
Net-(R165-Pad2): R165.2 R181.1
Net-(T5-D): R476.1 R477.1 T5.3
Net-(T7-D): R478.1 R479.1 T7.3
Net-(T9-D): R480.1 R481.1 T9.3
Net-(T11-D): R482.1 R483.1 T11.3
Net-(T13-D): R484.1 R485.1 T13.3
Net-(T15-D): R486.1 R487.1 T15.3
Net-(T19-D): R488.1 R489.1 T19.3
Net-(T21-D): R490.1 R491.1 T21.3
Net-(T23-D): R492.1 R493.1 T23.3
Net-(T25-D): R494.1 R495.1 T25.3
Net-(T27-D): R496.1 R497.1 T27.3
Net-(T29-D): R498.1 R499.1 T29.3
Net-(T31-D): R500.1 R501.1 T31.3
Net-(T35-D): R502.1 R503.1 T35.3
Net-(T37-D): R504.1 R505.1 T37.3
Net-(T39-D): R506.1 R507.1 T39.3
Net-(T40-D): R41.1 R454.1 T40.3
Net-(T41-D): R135.1 R457.1 T41.3
Net-(T42-D): R149.1 R459.1 T42.3
Net-(T43-D): R172.1 R461.1 T43.3
Net-(T44-D): R268.1 R464.1 T44.3
Net-(T45-D): R282.1 R465.1 T45.3
Net-(T46-D): R296.1 R466.1 T46.3
Net-(T47-D): R310.1 R467.1 T47.3
Net-(T48-D): R324.1 R468.1 T48.3
Net-(T49-D): R338.1 R469.1 T49.3
Net-(T50-D): R352.1 R470.1 T50.3
Net-(T51-D): R366.1 R471.1 T51.3
Net-(T52-D): R380.1 R472.1 T52.3
Net-(T53-D): R411.1 R473.1 T53.3
Net-(T54-D): R425.1 R474.1 T54.3
Net-(T55-D): R439.1 R475.1 T55.3
Net-(TR1-PDOT): C478.2 TR1.3
Net-(TR2-PDOT): C247.2 TR2.3
Net-(TR3-PDOT): C485.2 TR3.3

Pads without a net: D10 2; FTG1 FTG2; FTG2 FTG2; FTG3 FTG2; FTG4 FTG2; FTG5 FTG2; FTG6 FTG2; IC1 4 5 6 7; IC3 1 9 10 11 14 15 16 17 18 19 22 23 24; IC5 T7; IC9 6 26 27 43; IC11 22 23 26 27; IC12 1 3 5 7 8; IC13 T7; IC14 A16 A17 A18 A19 A21 A22 A25 A26 AA7 AB18 AB19 AB20 AB21 AC18 AC19 AC21 AC22 AD19 AE18 AE19 AF16 AF18 AG18 AH18 B16 B18 B19 B20 B23 B24 B27 B28 C16 C17 C18 C19 C21 C22 C25 C26 D17 D19 D20 D23 D24 D27 D28 E17 E18 E19 E21 E22 E25 E26 F17 F18 F20 F23 F24 F27 F28 G9 G16 G19 G20 G21 G25 G26 H17 H18 H19 H22 H23 H24 H26 H27 H28 J15 J16 J17 J19 J20 J21 J22 J24 J25 J26 J27 J28 K15 K17 K18 K19 K20 K22 K23 K24 K25 K27 K28 L15 L16 L17 L18 L21 L22 L23 L25 L26 L27 L28 M18 M19 M23 M24 M25 M26 M28 N18 N22 N23 N24 N26 N27 N28 P22 P24 P25 P26 P27 P28 R9 R22 R23 R24 R25 R27 R28 T22 T23 T25 T26 T27 T28 U26 V1 V2 V22 V26 V27 Y1 Y2 Y24 Y25; IC15 15; IC18 1 2 4 7 10 11 12 22 24 25 27 28 30 31 33 35 36 41 42 43 44; IC19 3 4 5 6 11 12 13 14; IC21 3 4 5 6 11 12 13 14; IC22 3 7; IC23 15; IC29 1 3 24 25; IC30 17 25 26 27 30 31 33 34 35 36 37 38; IC31 16 17 25 26 27 30 43; IC37 6; IC39 15; IC40 4 5 6 7 8 9 24 25 28 30; IC41 15; IC44 15; IC47 15; IC48 5; IC50 15; IC51 9; IC53 15; IC60 1 2 4 7 10 11 12 22 27 28 41 42 43 44; IC62 15; IC64 9; IC65 9; IC66 9; IC69 15; IC72 15; IC78 15; IC81 15; IC84 15; IC90 15; IC93 15; IC96 15; IC99 15; IC105 15; IC107 14; IC110 6 7 8 10; IC112 15; IC115 15; IC118 15; IC124 15; IC125 15; IC126 15; IC127 15; IC128 15; IC129 15; IC130 15; IC132 15; IC133 15; IC134 15; IC135 15; IC137 15; IC138 15; IC139 15; IC140 15; IC141 14 15 16 17; IC142 11 15; J1 2; J2 4; J5 2; J7 12; J13 A3 A4 A5 A6 A7 A8 A9 B1 B2 B3 B6 B7 B8 B9 C2 C3 C4 C5 C6 C7 C8 C9 D1 D2 D3 D6 D7 D8 D9; J15 A1 A2 A3 A4 A5 A6 A7 A8 A9 A10 A11 B9 B10 B11 C1 C2 C3 C4 C5 C6 C7 C8 C9 C10 C11 C12 C13 C14 C15 C16 C17 C18 C19 D1 D2 D3 D4 D5 D6 D7 D8 D9 D10 D11 E9 E10 E11; OSC3 5; OSC4 2 5; P1 D1 D3 D4 D5 D6 D7 D8 D19 D21 D23 D25 D27 D29 D32 Z11 Z13 Z15 Z17 Z19 Z21 Z23 Z25 Z27 Z29 Z31; P2 C5 C6 C7 C8 C9 C10 C11 C12 C13 C14 C15 C16 C17 C18 C19 C20 C21 C22 C23 C24 C25 C26 C27 C28 C29 C30 C31 C32 D1 D2 D3 D4 D5 D6 D7 D8 D9 D10 D11 D12 D13 D14 D15 D16 D17 D18 D19 D20 D21 D22 D23 D24 D32 Z1 Z3 Z5 Z7 Z9 Z11 Z13 Z15 Z17 Z19 Z21 Z23 Z25 Z27 Z29 Z31; TR1 2 5; TR2 2 5; TR3 2 5

## Via types
v1: diameter 0.4, hole 0.2, Top Layer to Bottom Layer, 853 vias
v2: diameter 0.6, hole 0.3, Top Layer to Bottom Layer, 3243 vias
v3: diameter 0.59, hole 0.3, Top Layer to Bottom Layer, 66 vias
v4: diameter 0.8, hole 0.5, Top Layer to Bottom Layer, 212 vias
